# Altium PCB top_LM_v1.PcbDoc (part 4 of 5) (continued)
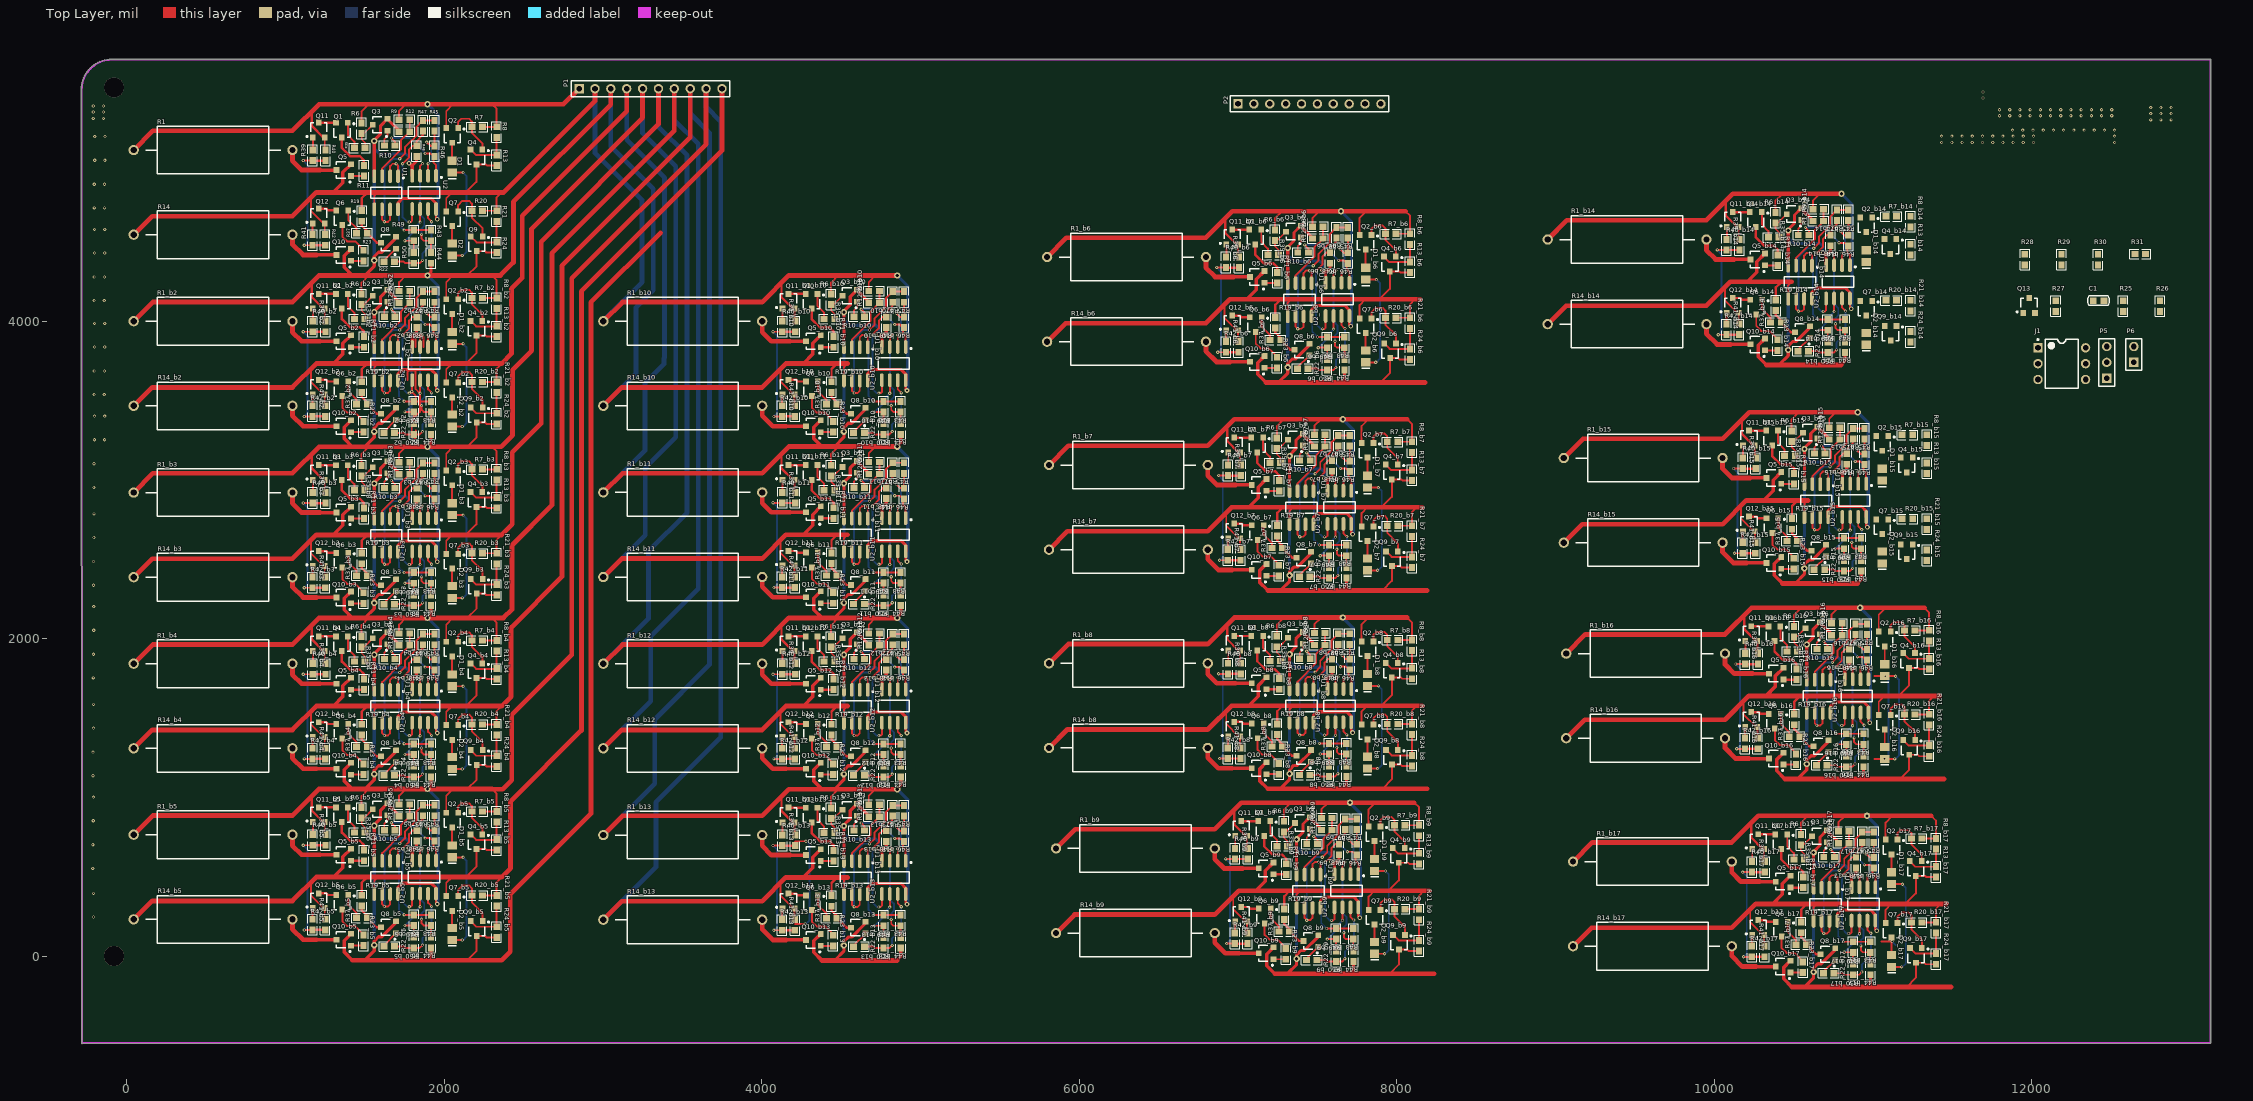
[diagram p0: Top Layer view]
## Nets (pads, with @x,y where several pads share a name; then routed paths per layer and width w, separated by ;. In a path a pad name is that pad's centre, name@x,y a point inside that pad or via, vN(x,y) a via of type N, cw(c..) or ccw(c..) an arc to the next point about the centre after c; other vN are vias at no path point) (continued)
NetQ3_b15_3: Q3_b15.3 R6_b15.1 R35_b15.1 | length 193.4
  Top Layer w10: R6_b15.1@10486.87,3242.02 R6_b15.1@10487.27,3242.02 ; R35_b15.1@10509.46,3151.74 10509.46,3183.28 10487.27,3205.47 R6_b15.1@10487.27,3242.02 ; Q3_b15.3@10557.74,3297.74 10502.02,3242.02 R6_b15.1@10487.27,3242.02
NetQ3_b16_1: Q3_b16.1 R10_b16.1 | length 101.8
  Top Layer w10: R10_b16.1@10645.54,1935 10645.54,1974.54 10665.26,1994.26 Q3_b16.1@10665.26,2028.6
NetQ3_b16_3: Q3_b16.3 R6_b16.1 R35_b16.1 | length 193.4
  Top Layer w10: R6_b16.1@10501.87,2010.28 R6_b16.1@10502.27,2010.28 ; R35_b16.1@10524.46,1920 10524.46,1951.54 10502.27,1973.73 R6_b16.1@10502.27,2010.28 ; Q3_b16.3@10572.74,2066 10517.02,2010.28 R6_b16.1@10502.27,2010.28
NetQ3_b17_1: Q3_b17.1 R10_b17.1 | length 101.8
  Top Layer w10: R10_b17.1@10688.54,625 10688.54,664.54 10708.26,684.26 Q3_b17.1@10708.26,718.6
NetQ3_b17_3: Q3_b17.3 R6_b17.1 R35_b17.1 | length 193.4
  Top Layer w10: R6_b17.1@10544.87,700.28 R6_b17.1@10545.27,700.28 ; R35_b17.1@10567.46,610 10567.46,641.54 10545.27,663.73 R6_b17.1@10545.27,700.28 ; Q3_b17.3@10615.74,756 10560.02,700.28 R6_b17.1@10545.27,700.28
NetQ4_2: Q4.2 R8.1 R13.2 | length 290.8
  Top Layer w12: Q4.2@2166.46,5079.8 2201.17,5045.09 2330.87,5045.09 R13.2@2330.87,5047 R8.1@2330.87,5157.07
NetQ4_b2_2: Q4_b2.2 R8_b2.1 R13_b2.2 | length 290.8
  Top Layer w12: Q4_b2.2@2166.46,4001.8 2201.17,3967.09 2330.87,3967.09 R13_b2.2@2330.87,3969 R8_b2.1@2330.87,4079.07
NetQ4_b3_2: Q4_b3.2 R8_b3.1 R13_b3.2 | length 290.8
  Top Layer w12: Q4_b3.2@2166.46,2922.8 2201.17,2888.09 2330.87,2888.09 R13_b3.2@2330.87,2890 R8_b3.1@2330.87,3000.07
NetQ4_b4_2: Q4_b4.2 R8_b4.1 R13_b4.2 | length 290.8
  Top Layer w12: Q4_b4.2@2166.46,1844.8 2201.17,1810.09 2330.87,1810.09 R13_b4.2@2330.87,1812 R8_b4.1@2330.87,1922.07
NetQ4_b5_2: Q4_b5.2 R8_b5.1 R13_b5.2 | length 290.8
  Top Layer w12: Q4_b5.2@2166.46,767.8 2201.17,733.09 2330.87,733.09 R13_b5.2@2330.87,735 R8_b5.1@2330.87,845.07
NetQ4_b6_2: Q4_b6.2 R8_b6.1 R13_b6.2 | length 290.8
  Top Layer w12: Q4_b6.2@7919.21,4406.26 7953.91,4371.56 8083.61,4371.56 R13_b6.2@8083.61,4373.46 R8_b6.1@8083.61,4483.54
NetQ4_b7_2: Q4_b7.2 R8_b7.1 R13_b7.2 | length 290.8
  Top Layer w12: Q4_b7.2@7931.21,3096.26 7965.91,3061.56 8095.61,3061.56 R13_b7.2@8095.61,3063.46 R8_b7.1@8095.61,3173.54
NetQ4_b8_2: Q4_b8.2 R8_b8.1 R13_b8.2 | length 290.8
  Top Layer w12: Q4_b8.2@7931.21,1847.26 7965.91,1812.56 8095.61,1812.56 R13_b8.2@8095.61,1814.46 R8_b8.1@8095.61,1924.54
NetQ4_b9_2: Q4_b9.2 R8_b9.1 R13_b9.2 | length 290.8
  Top Layer w12: Q4_b9.2@7975.46,681.54 8010.17,646.83 8139.87,646.83 R13_b9.2@8139.87,648.74 R8_b9.1@8139.87,758.81
NetQ4_b10_2: 
NetQ4_b11_2: 
NetQ4_b12_2: 
NetQ4_b13_2: 
NetQ4_b14_2: Q4_b14.2 R8_b14.1 R13_b14.2
NetQ4_b15_2: Q4_b15.2 R8_b15.1 R13_b15.2
NetQ4_b16_2: Q4_b16.2 R8_b16.1 R13_b16.2 | length 290.8
  Top Layer w12: Q4_b16.2@11188.46,1908.54 11223.17,1873.83 11352.87,1873.83 R13_b16.2@11352.87,1875.74 R8_b16.1@11352.87,1985.81
NetQ4_b17_2: Q4_b17.2 R8_b17.1 R13_b17.2 | length 290.8
  Top Layer w12: Q4_b17.2@11231.46,598.54 11266.17,563.83 11395.87,563.83 R13_b17.2@11395.87,565.74 R8_b17.1@11395.87,675.81
NetQ5_1: Q5.1 R11.1 | length 80.5
  Top Layer w15: Q5.1@1414.46,4913.8 R11.1@1495,4913.8
NetQ5_3: Q5.3 R1.1 | length 368.5
  Top Layer w22: 1219.72,4951.54 Q5.3@1321.61,4951.54
  Top Layer w30: R1.1@1045,5077.26 1045,5009.26 1102.72,4951.54 1219.72,4951.54
NetQ5_b2_1: Q5_b2.1 R11_b2.1 | length 80.5
  Top Layer w15: Q5_b2.1@1414.46,3835.8 R11_b2.1@1495,3835.8
NetQ5_b2_3: Q5_b2.3 R1_b2.1 | length 368.5
  Top Layer w22: 1219.72,3873.54 Q5_b2.3@1321.61,3873.53
  Top Layer w30: R1_b2.1@1045,3999.26 1045,3931.26 1102.72,3873.54 1219.72,3873.54
NetQ5_b3_1: Q5_b3.1 R11_b3.1 | length 80.5
  Top Layer w15: Q5_b3.1@1414.46,2756.8 R11_b3.1@1495,2756.8
NetQ5_b3_3: Q5_b3.3 R1_b3.1 | length 368.5
  Top Layer w22: 1219.72,2794.54 Q5_b3.3@1321.61,2794.54
  Top Layer w30: R1_b3.1@1045,2920.26 1045,2852.26 1102.72,2794.54 1219.72,2794.54
NetQ5_b4_1: Q5_b4.1 R11_b4.1 | length 80.5
  Top Layer w15: Q5_b4.1@1414.46,1678.8 R11_b4.1@1495,1678.8
NetQ5_b4_3: Q5_b4.3 R1_b4.1 | length 368.5
  Top Layer w22: 1219.72,1716.54 Q5_b4.3@1321.61,1716.53
  Top Layer w30: R1_b4.1@1045,1842.26 1045,1774.26 1102.72,1716.54 1219.72,1716.54
NetQ5_b5_1: Q5_b5.1 R11_b5.1 | length 80.5
  Top Layer w15: Q5_b5.1@1414.46,601.8 R11_b5.1@1495,601.8
NetQ5_b5_3: Q5_b5.3 R1_b5.1 | length 368.5
  Top Layer w22: 1219.72,639.54 Q5_b5.3@1321.61,639.53
  Top Layer w30: R1_b5.1@1045,765.26 1045,697.26 1102.72,639.54 1219.72,639.54
NetQ5_b6_1: Q5_b6.1 R11_b6.1 | length 80.5
  Top Layer w15: Q5_b6.1@7167.21,4240.26 R11_b6.1@7247.75,4240.26
NetQ5_b6_3: Q5_b6.3 R1_b6.1 | length 368.5
  Top Layer w22: 6972.47,4278 Q5_b6.3@7074.35,4278
  Top Layer w30: R1_b6.1@6797.75,4403.72 6797.75,4335.72 6855.47,4278 6972.47,4278
NetQ5_b7_1: Q5_b7.1 R11_b7.1 | length 80.5
  Top Layer w15: Q5_b7.1@7179.21,2930.26 R11_b7.1@7259.75,2930.26
NetQ5_b7_3: Q5_b7.3 R1_b7.1 | length 368.5
  Top Layer w22: 6984.47,2968 Q5_b7.3@7086.35,2968
  Top Layer w30: R1_b7.1@6809.75,3093.72 6809.75,3025.72 6867.47,2968 6984.47,2968
NetQ5_b8_1: Q5_b8.1 R11_b8.1 | length 80.5
  Top Layer w15: Q5_b8.1@7179.21,1681.26 R11_b8.1@7259.75,1681.26
NetQ5_b8_3: Q5_b8.3 R1_b8.1 | length 368.5
  Top Layer w22: 6984.47,1719 Q5_b8.3@7086.35,1719
  Top Layer w30: R1_b8.1@6809.75,1844.72 6809.75,1776.72 6867.47,1719 6984.47,1719
NetQ5_b9_1: Q5_b9.1 R11_b9.1 | length 80.5
  Top Layer w15: Q5_b9.1@7223.46,515.54 R11_b9.1@7304,515.54
NetQ5_b9_3: Q5_b9.3 R1_b9.1 | length 368.5
  Top Layer w22: 7028.72,553.28 Q5_b9.3@7130.61,553.28
  Top Layer w30: R1_b9.1@6854,679 6854,611 6911.72,553.28 7028.72,553.28
NetQ5_b10_1: Q5_b10.1 R11_b10.1 | length 80.5
  Top Layer w15: Q5_b10.1@4372.46,3835.8 R11_b10.1@4453,3835.8
NetQ5_b10_3: Q5_b10.3 R1_b10.1 | length 368.5
  Top Layer w22: 4177.72,3873.54 Q5_b10.3@4279.61,3873.53
  Top Layer w30: R1_b10.1@4003,3999.26 4003,3931.26 4060.72,3873.54 4177.72,3873.54
NetQ5_b11_1: Q5_b11.1 R11_b11.1 | length 80.5
  Top Layer w15: Q5_b11.1@4372.46,2757.8 R11_b11.1@4453,2757.8
NetQ5_b11_3: Q5_b11.3 R1_b11.1 | length 368.5
  Top Layer w22: 4177.72,2795.54 Q5_b11.3@4279.61,2795.54
  Top Layer w30: R1_b11.1@4003,2921.26 4003,2853.26 4060.72,2795.54 4177.72,2795.54
NetQ5_b12_1: Q5_b12.1 R11_b12.1 | length 80.5
  Top Layer w15: Q5_b12.1@4372.46,1678.8 R11_b12.1@4453,1678.8
NetQ5_b12_3: Q5_b12.3 R1_b12.1 | length 368.5
  Top Layer w22: 4177.72,1716.54 Q5_b12.3@4279.61,1716.54
  Top Layer w30: R1_b12.1@4003,1842.26 4003,1774.26 4060.72,1716.54 4177.72,1716.54
NetQ5_b13_1: Q5_b13.1 R11_b13.1 | length 80.5
  Top Layer w15: Q5_b13.1@4372.46,599.8 R11_b13.1@4453,599.8
NetQ5_b13_3: Q5_b13.3 R1_b13.1 | length 368.5
  Top Layer w22: 4177.72,637.54 Q5_b13.3@4279.61,637.54
  Top Layer w30: R1_b13.1@4003,763.26 4003,695.26 4060.72,637.54 4177.72,637.54
NetQ5_b14_1: Q5_b14.1 R11_b14.1 | length 80.5
  Top Layer w15: Q5_b14.1@10319.46,4350.54 R11_b14.1@10400,4350.54
NetQ5_b14_3: Q5_b14.3 R1_b14.1 | length 368.5
  Top Layer w22: 10124.72,4388.28 Q5_b14.3@10226.61,4388.28
  Top Layer w30: R1_b14.1@9950,4514 9950,4446 10007.72,4388.28 10124.72,4388.28
NetQ5_b15_1: Q5_b15.1 R11_b15.1 | length 80.5
  Top Layer w15: Q5_b15.1@10421.46,2974.28 R11_b15.1@10502,2974.28
NetQ5_b15_3: Q5_b15.3 R1_b15.1 | length 368.5
  Top Layer w22: 10226.72,3012.02 Q5_b15.3@10328.61,3012.02
  Top Layer w30: R1_b15.1@10052,3137.74 10052,3069.74 10109.72,3012.02 10226.72,3012.02
NetQ5_b16_1: Q5_b16.1 R11_b16.1 | length 80.5
  Top Layer w15: Q5_b16.1@10436.46,1742.54 R11_b16.1@10517,1742.54
NetQ5_b16_3: Q5_b16.3 R1_b16.1 | length 368.5
  Top Layer w22: 10241.72,1780.28 Q5_b16.3@10343.61,1780.28
  Top Layer w30: R1_b16.1@10067,1906 10067,1838 10124.72,1780.28 10241.72,1780.28
NetQ5_b17_1: Q5_b17.1 R11_b17.1 | length 80.5
  Top Layer w15: Q5_b17.1@10479.46,432.54 R11_b17.1@10560,432.54
NetQ5_b17_3: Q5_b17.3 R1_b17.1 | length 368.5
  Top Layer w22: 10284.72,470.28 Q5_b17.3@10386.61,470.28
  Top Layer w30: R1_b17.1@10110,596 10110,528 10167.72,470.28 10284.72,470.28
NetQ6_1: Q6.1 R37.2 | length 165.8
  Top Layer w12: Q6.1@1396.27,4697.8 1396.27,4636.6 1449.4,4583.46 R37.2@1449.4,4554
NetQ6_2: Q6.2 Q12.3 | length 114.9
  Top Layer w15: Q12.3@1211,4708.52 1258.74,4708.52 1269.46,4697.8 Q6.2@1321.46,4697.8
NetQ6_3: Q6.3 R23.2 | length 244.9
  Top Layer w12: Q6.3@1358.87,4605.28 1358.87,4532.54 1389.4,4502 1441.25,4502 1492.25,4451 R23.2@1492.25,4446
NetQ6_b2_1: Q6_b2.1 R37_b2.2 | length 165.8
  Top Layer w12: Q6_b2.1@1396.27,3619.8 1396.27,3558.6 1449.4,3505.46 R37_b2.2@1449.4,3476
NetQ6_b2_2: Q6_b2.2 Q12_b2.3 | length 114.9
  Top Layer w15: Q12_b2.3@1211,3630.52 1258.74,3630.52 1269.46,3619.8 Q6_b2.2@1321.46,3619.8
NetQ6_b2_3: Q6_b2.3 R23_b2.2 | length 244.9
  Top Layer w12: Q6_b2.3@1358.87,3527.28 1358.87,3454.54 1389.4,3424 1441.25,3424 1492.25,3373 R23_b2.2@1492.25,3368
NetQ6_b3_1: Q6_b3.1 R37_b3.2 | length 165.8
  Top Layer w12: Q6_b3.1@1396.27,2540.8 1396.27,2479.6 1449.4,2426.46 R37_b3.2@1449.4,2397
NetQ6_b3_2: Q6_b3.2 Q12_b3.3 | length 114.9
  Top Layer w15: Q12_b3.3@1211,2551.52 1258.74,2551.52 1269.46,2540.8 Q6_b3.2@1321.46,2540.8
NetQ6_b3_3: Q6_b3.3 R23_b3.2 | length 244.9
  Top Layer w12: Q6_b3.3@1358.87,2448.28 1358.87,2375.54 1389.4,2345 1441.25,2345 1492.25,2294 R23_b3.2@1492.25,2289
NetQ6_b4_1: Q6_b4.1 R37_b4.2 | length 165.8
  Top Layer w12: Q6_b4.1@1396.27,1462.8 1396.27,1401.6 1449.4,1348.46 R37_b4.2@1449.4,1319
NetQ6_b4_2: Q6_b4.2 Q12_b4.3 | length 114.9
  Top Layer w15: Q12_b4.3@1211,1473.52 1258.74,1473.52 1269.46,1462.8 Q6_b4.2@1321.46,1462.8
NetQ6_b4_3: Q6_b4.3 R23_b4.2 | length 244.9
  Top Layer w12: Q6_b4.3@1358.87,1370.28 1358.87,1297.54 1389.4,1267 1441.25,1267 1492.25,1216 R23_b4.2@1492.25,1211
NetQ6_b5_1: Q6_b5.1 R37_b5.2 | length 165.8
  Top Layer w12: Q6_b5.1@1396.27,385.8 1396.27,324.6 1449.4,271.46 R37_b5.2@1449.4,242
NetQ6_b5_2: Q6_b5.2 Q12_b5.3 | length 114.9
  Top Layer w15: Q12_b5.3@1211,396.52 1258.74,396.52 1269.46,385.8 Q6_b5.2@1321.46,385.8
NetQ6_b5_3: Q6_b5.3 R23_b5.2 | length 244.9
  Top Layer w12: Q6_b5.3@1358.87,293.28 1358.87,220.54 1389.4,190 1441.25,190 1492.25,139 R23_b5.2@1492.25,134
NetQ6_b6_1: Q6_b6.1 R37_b6.2 | length 165.8
  Top Layer w12: Q6_b6.1@7149.02,4024.26 7149.02,3963.06 7202.15,3909.93 R37_b6.2@7202.15,3880.46
NetQ6_b6_2: Q6_b6.2 Q12_b6.3 | length 114.9
  Top Layer w15: Q12_b6.3@6963.75,4034.98 7011.49,4034.98 7022.21,4024.26 Q6_b6.2@7074.21,4024.26
NetQ6_b6_3: Q6_b6.3 R23_b6.2 | length 244.9
  Top Layer w12: Q6_b6.3@7111.61,3931.74 7111.61,3859 7142.15,3828.46 7194,3828.46 7245,3777.46 R23_b6.2@7245,3772.46
NetQ6_b7_1: Q6_b7.1 R37_b7.2 | length 165.8
  Top Layer w12: Q6_b7.1@7161.02,2714.26 7161.02,2653.06 7214.15,2599.93 R37_b7.2@7214.15,2570.46
NetQ6_b7_2: Q6_b7.2 Q12_b7.3 | length 114.9
  Top Layer w15: Q12_b7.3@6975.75,2724.98 7023.49,2724.98 7034.21,2714.26 Q6_b7.2@7086.21,2714.26
NetQ6_b7_3: Q6_b7.3 R23_b7.2 | length 244.9
  Top Layer w12: Q6_b7.3@7123.61,2621.74 7123.61,2549 7154.15,2518.46 7206,2518.46 7257,2467.46 R23_b7.2@7257,2462.46
NetQ6_b8_1: Q6_b8.1 R37_b8.2 | length 165.8
  Top Layer w12: Q6_b8.1@7161.02,1465.26 7161.02,1404.06 7214.15,1350.93 R37_b8.2@7214.15,1321.46
NetQ6_b8_2: Q6_b8.2 Q12_b8.3 | length 114.9
  Top Layer w15: Q12_b8.3@6975.75,1475.98 7023.49,1475.98 7034.21,1465.26 Q6_b8.2@7086.21,1465.26
NetQ6_b8_3: Q6_b8.3 R23_b8.2 | length 244.9
  Top Layer w12: Q6_b8.3@7123.61,1372.74 7123.61,1300 7154.15,1269.46 7206,1269.46 7257,1218.46 R23_b8.2@7257,1213.46
NetQ6_b9_1: Q6_b9.1 R37_b9.2 | length 165.8
  Top Layer w12: Q6_b9.1@7205.27,299.54 7205.27,238.34 7258.4,185.2 R37_b9.2@7258.4,155.74
NetQ6_b9_2: Q6_b9.2 Q12_b9.3 | length 114.9
  Top Layer w15: Q12_b9.3@7020,310.26 7067.74,310.26 7078.46,299.54 Q6_b9.2@7130.46,299.54
NetQ6_b9_3: Q6_b9.3 R23_b9.2 | length 244.9
  Top Layer w12: Q6_b9.3@7167.87,207.02 7167.87,134.28 7198.4,103.74 7250.25,103.74 7301.25,52.74 R23_b9.2@7301.25,47.74
NetQ6_b10_1: Q6_b10.1 R37_b10.2 | length 165.8
  Top Layer w12: Q6_b10.1@4354.27,3619.8 4354.27,3558.6 4407.4,3505.46 R37_b10.2@4407.4,3476
NetQ6_b10_2: Q6_b10.2 Q12_b10.3 | length 114.9
  Top Layer w15: Q12_b10.3@4169,3630.52 4216.74,3630.52 4227.46,3619.8 Q6_b10.2@4279.46,3619.8
NetQ6_b10_3: Q6_b10.3 R23_b10.2 | length 244.9
  Top Layer w12: Q6_b10.3@4316.87,3527.28 4316.87,3454.54 4347.4,3424 4399.25,3424 4450.25,3373 R23_b10.2@4450.25,3368
NetQ6_b11_1: Q6_b11.1 R37_b11.2 | length 165.8
  Top Layer w12: Q6_b11.1@4354.27,2541.8 4354.27,2480.6 4407.4,2427.46 R37_b11.2@4407.4,2398
NetQ6_b11_2: Q6_b11.2 Q12_b11.3 | length 114.9
  Top Layer w15: Q12_b11.3@4169,2552.52 4216.74,2552.52 4227.46,2541.8 Q6_b11.2@4279.46,2541.8
NetQ6_b11_3: Q6_b11.3 R23_b11.2 | length 244.9
  Top Layer w12: Q6_b11.3@4316.87,2449.28 4316.87,2376.54 4347.4,2346 4399.25,2346 4450.25,2295 R23_b11.2@4450.25,2290
NetQ6_b12_1: Q6_b12.1 R37_b12.2 | length 165.8
  Top Layer w12: Q6_b12.1@4354.27,1462.8 4354.27,1401.6 4407.4,1348.46 R37_b12.2@4407.4,1319
NetQ6_b12_2: Q6_b12.2 Q12_b12.3 | length 114.9
  Top Layer w15: Q12_b12.3@4169,1473.52 4216.74,1473.52 4227.46,1462.8 Q6_b12.2@4279.46,1462.8
NetQ6_b12_3: Q6_b12.3 R23_b12.2 | length 244.9
  Top Layer w12: Q6_b12.3@4316.87,1370.28 4316.87,1297.54 4347.4,1267 4399.25,1267 4450.25,1216 R23_b12.2@4450.25,1211
NetQ6_b13_1: Q6_b13.1 R37_b13.2 | length 165.8
  Top Layer w12: Q6_b13.1@4354.27,383.8 4354.27,322.6 4407.4,269.46 R37_b13.2@4407.4,240
NetQ6_b13_2: Q6_b13.2 Q12_b13.3 | length 114.9
  Top Layer w15: Q12_b13.3@4169,394.52 4216.74,394.52 4227.46,383.8 Q6_b13.2@4279.46,383.8
NetQ6_b13_3: Q6_b13.3 R23_b13.2 | length 244.9
  Top Layer w12: Q6_b13.3@4316.87,291.28 4316.87,218.54 4347.4,188 4399.25,188 4450.25,137 R23_b13.2@4450.25,132
NetQ6_b14_1: Q6_b14.1 R37_b14.2 | length 165.8
  Top Layer w12: Q6_b14.1@10301.27,4134.54 10301.27,4073.34 10354.4,4020.2 R37_b14.2@10354.4,3990.74
NetQ6_b14_2: Q6_b14.2 Q12_b14.3 | length 114.9
  Top Layer w15: Q12_b14.3@10116,4145.26 10163.74,4145.26 10174.46,4134.54 Q6_b14.2@10226.46,4134.54
NetQ6_b14_3: Q6_b14.3 R23_b14.2 | length 244.9
  Top Layer w12: Q6_b14.3@10263.87,4042.02 10263.87,3969.28 10294.4,3938.74 10346.25,3938.74 10397.25,3887.74 R23_b14.2@10397.25,3882.74
NetQ6_b15_1: Q6_b15.1 R37_b15.2 | length 165.8
  Top Layer w12: Q6_b15.1@10403.27,2758.28 10403.27,2697.08 10456.4,2643.94 R37_b15.2@10456.4,2614.48
NetQ6_b15_2: Q6_b15.2 Q12_b15.3 | length 114.9
  Top Layer w15: Q12_b15.3@10218,2769 10265.74,2769 10276.46,2758.28 Q6_b15.2@10328.46,2758.28
NetQ6_b15_3: Q6_b15.3 R23_b15.2 | length 244.9
  Top Layer w12: Q6_b15.3@10365.87,2665.76 10365.87,2593.02 10396.4,2562.48 10448.25,2562.48 10499.25,2511.48 R23_b15.2@10499.25,2506.48
NetQ6_b16_1: Q6_b16.1 R37_b16.2 | length 165.8
  Top Layer w12: Q6_b16.1@10418.27,1526.54 10418.27,1465.34 10471.4,1412.2 R37_b16.2@10471.4,1382.74
NetQ6_b16_2: Q6_b16.2 Q12_b16.3 | length 114.9
  Top Layer w15: Q12_b16.3@10233,1537.26 10280.74,1537.26 10291.46,1526.54 Q6_b16.2@10343.46,1526.54
NetQ6_b16_3: Q6_b16.3 R23_b16.2 | length 244.9
  Top Layer w12: Q6_b16.3@10380.87,1434.02 10380.87,1361.28 10411.4,1330.74 10463.25,1330.74 10514.25,1279.74 R23_b16.2@10514.25,1274.74
NetQ6_b17_1: Q6_b17.1 R37_b17.2 | length 165.8
  Top Layer w12: Q6_b17.1@10461.27,216.54 10461.27,155.34 10514.4,102.2 R37_b17.2@10514.4,72.74
NetQ6_b17_2: Q6_b17.2 Q12_b17.3 | length 114.9
  Top Layer w15: Q12_b17.3@10276,227.26 10323.74,227.26 10334.46,216.54 Q6_b17.2@10386.46,216.54
NetQ6_b17_3: Q6_b17.3 R23_b17.2 | length 244.9
  Top Layer w12: Q6_b17.3@10423.87,124.02 10423.87,51.28 10454.4,20.74 10506.25,20.74 10557.25,-30.26 R23_b17.2@10557.25,-35.26
NetQ7_1: Q7.1 Q9.1 R20.1 | length 379.6
  Top Layer w12: Q7.1@2088.27,4690.8 2088.27,4730.94 2113.87,4756.54 2158.87,4756.54 2175.4,4740 R20.1@2175.4,4694.54 2175.4,4651 2242.27,4584.13 Q9.1@2242.27,4532.8
NetQ7_b2_1: Q7_b2.1 Q9_b2.1 R20_b2.1 | length 379.6
  Top Layer w12: Q7_b2.1@2088.27,3612.8 2088.27,3652.94 2113.87,3678.54 2158.87,3678.54 2175.4,3662 R20_b2.1@2175.4,3616.54 2175.4,3573 2242.27,3506.13 Q9_b2.1@2242.27,3454.8
NetQ7_b3_1: Q7_b3.1 Q9_b3.1 R20_b3.1 | length 379.6
  Top Layer w12: Q7_b3.1@2088.27,2533.8 2088.27,2573.94 2113.87,2599.54 2158.87,2599.54 2175.4,2583 R20_b3.1@2175.4,2537.54 2175.4,2494 2242.27,2427.13 Q9_b3.1@2242.27,2375.8
NetQ7_b4_1: Q7_b4.1 Q9_b4.1 R20_b4.1 | length 379.6
  Top Layer w12: Q7_b4.1@2088.27,1455.8 2088.27,1495.94 2113.87,1521.54 2158.87,1521.54 2175.4,1505 R20_b4.1@2175.4,1459.54 2175.4,1416 2242.27,1349.13 Q9_b4.1@2242.27,1297.8
NetQ7_b5_1: Q7_b5.1 Q9_b5.1 R20_b5.1 | length 379.6
  Top Layer w12: Q7_b5.1@2088.27,378.8 2088.27,418.94 2113.87,444.54 2158.87,444.54 2175.4,428 R20_b5.1@2175.4,382.54 2175.4,339 2242.27,272.13 Q9_b5.1@2242.27,220.8
NetQ7_b6_1: Q7_b6.1 Q9_b6.1 R20_b6.1 | length 379.6
  Top Layer w12: Q7_b6.1@7841.02,4017.26 7841.02,4057.4 7866.61,4083 7911.61,4083 7928.15,4066.46 R20_b6.1@7928.15,4021 7928.15,3977.46 7995.02,3910.6 Q9_b6.1@7995.02,3859.26
NetQ7_b7_1: Q7_b7.1 Q9_b7.1 R20_b7.1 | length 379.6
  Top Layer w12: Q7_b7.1@7853.02,2707.26 7853.02,2747.4 7878.61,2773 7923.61,2773 7940.15,2756.46 R20_b7.1@7940.15,2711 7940.15,2667.46 8007.02,2600.6 Q9_b7.1@8007.02,2549.26
NetQ7_b8_1: Q7_b8.1 Q9_b8.1 R20_b8.1 | length 379.6
  Top Layer w12: Q7_b8.1@7853.02,1458.26 7853.02,1498.4 7878.61,1524 7923.61,1524 7940.15,1507.46 R20_b8.1@7940.15,1462 7940.15,1418.46 8007.02,1351.6 Q9_b8.1@8007.02,1300.26
NetQ7_b9_1: Q7_b9.1 Q9_b9.1 R20_b9.1 | length 379.6
  Top Layer w12: Q7_b9.1@7897.27,292.54 7897.27,332.68 7922.87,358.28 7967.87,358.28 7984.4,341.74 R20_b9.1@7984.4,296.28 7984.4,252.74 8051.27,185.87 Q9_b9.1@8051.27,134.54
NetQ7_b10_1: 
NetQ7_b11_1: 
NetQ7_b12_1: 
NetQ7_b13_1: 
NetQ7_b14_1: Q7_b14.1 Q9_b14.1 R20_b14.1
NetQ7_b15_1: Q7_b15.1 Q9_b15.1 R20_b15.1
NetQ7_b16_1: Q7_b16.1 Q9_b16.1 R20_b16.1 | length 379.6
  Top Layer w12: Q7_b16.1@11110.27,1519.54 11110.27,1559.68 11135.87,1585.28 11180.87,1585.28 11197.4,1568.74 R20_b16.1@11197.4,1523.28 11197.4,1479.74 11264.27,1412.87 Q9_b16.1@11264.27,1361.54
NetQ7_b17_1: Q7_b17.1 Q9_b17.1 R20_b17.1 | length 379.6
  Top Layer w12: Q7_b17.1@11153.27,209.54 11153.27,249.68 11178.87,275.28 11223.87,275.28 11240.4,258.74 R20_b17.1@11240.4,213.28 11240.4,169.74 11307.27,102.87 Q9_b17.1@11307.27,51.54
NetQ8_1: Q8.1 R22.2 | length 113.6
  Top Layer w12: R22.2@1621.54,4374.26 1621.54,4382.13 Q8.1@1696.26,4456.86
NetQ8_3: Q8.3 R19.1 R37.1 | length 202.3
  Top Layer w15: R19.1@1482.4,4628.54 R19.1@1481.87,4629.07 1481.87,4601 1516.33,4566.54 R37.1@1516.33,4554 1576.07,4494.26 Q8.3@1603.74,4494.26
NetQ8_b2_1: Q8_b2.1 R22_b2.2 | length 113.6
  Top Layer w12: R22_b2.2@1621.54,3296.26 1621.54,3304.13 Q8_b2.1@1696.26,3378.86
NetQ8_b2_3: Q8_b2.3 R19_b2.1 R37_b2.1 | length 202.3
  Top Layer w15: R19_b2.1@1482.4,3550.54 R19_b2.1@1481.87,3551.07 1481.87,3523 1516.33,3488.54 R37_b2.1@1516.33,3476 1576.07,3416.26 Q8_b2.3@1603.74,3416.26
NetQ8_b3_1: Q8_b3.1 R22_b3.2 | length 113.6
  Top Layer w12: R22_b3.2@1621.54,2217.26 1621.54,2225.13 Q8_b3.1@1696.26,2299.86
NetQ8_b3_3: Q8_b3.3 R19_b3.1 R37_b3.1 | length 202.3
  Top Layer w15: R19_b3.1@1482.4,2471.54 R19_b3.1@1481.87,2472.07 1481.87,2444 1516.33,2409.54 R37_b3.1@1516.33,2397 1576.07,2337.26 Q8_b3.3@1603.74,2337.26
NetQ8_b4_1: Q8_b4.1 R22_b4.2 | length 113.6
  Top Layer w12: R22_b4.2@1621.54,1139.26 1621.54,1147.13 Q8_b4.1@1696.26,1221.86
NetQ8_b4_3: Q8_b4.3 R19_b4.1 R37_b4.1 | length 202.3
  Top Layer w15: R19_b4.1@1482.4,1393.54 R19_b4.1@1481.87,1394.07 1481.87,1366 1516.33,1331.54 R37_b4.1@1516.33,1319 1576.07,1259.26 Q8_b4.3@1603.74,1259.26
NetQ8_b5_1: Q8_b5.1 R22_b5.2 | length 113.6
  Top Layer w12: R22_b5.2@1621.54,62.26 1621.54,70.13 Q8_b5.1@1696.26,144.86
NetQ8_b5_3: Q8_b5.3 R19_b5.1 R37_b5.1 | length 202.3
  Top Layer w15: R19_b5.1@1482.4,316.54 R19_b5.1@1481.87,317.07 1481.87,289 1516.33,254.54 R37_b5.1@1516.33,242 1576.07,182.26 Q8_b5.3@1603.74,182.26
NetQ8_b6_1: Q8_b6.1 R22_b6.2 | length 113.6
  Top Layer w12: R22_b6.2@7374.28,3700.72 7374.28,3708.6 Q8_b6.1@7449.01,3783.32
NetQ8_b6_3: Q8_b6.3 R19_b6.1 R37_b6.1 | length 202.3
  Top Layer w15: R19_b6.1@7235.15,3955 R19_b6.1@7234.61,3955.54 7234.61,3927.46 7269.08,3893 R37_b6.1@7269.08,3880.46 7328.82,3820.72 Q8_b6.3@7356.49,3820.72
NetQ8_b7_1: Q8_b7.1 R22_b7.2 | length 113.6
  Top Layer w12: R22_b7.2@7386.28,2390.72 7386.28,2398.6 Q8_b7.1@7461.01,2473.32
NetQ8_b7_3: Q8_b7.3 R19_b7.1 R37_b7.1 | length 202.3
  Top Layer w15: R19_b7.1@7247.15,2645 R19_b7.1@7246.61,2645.54 7246.61,2617.46 7281.08,2583 R37_b7.1@7281.08,2570.46 7340.82,2510.72 Q8_b7.3@7368.49,2510.72
NetQ8_b8_1: Q8_b8.1 R22_b8.2 | length 113.6
  Top Layer w12: R22_b8.2@7386.28,1141.72 7386.28,1149.6 Q8_b8.1@7461.01,1224.32
NetQ8_b8_3: Q8_b8.3 R19_b8.1 R37_b8.1 | length 202.3
  Top Layer w15: R19_b8.1@7247.15,1396 R19_b8.1@7246.61,1396.54 7246.61,1368.46 7281.08,1334 R37_b8.1@7281.08,1321.46 7340.82,1261.72 Q8_b8.3@7368.49,1261.72
NetQ8_b9_1: Q8_b9.1 R22_b9.2 | length 113.6
  Top Layer w12: R22_b9.2@7430.54,-24 7430.54,-16.13 Q8_b9.1@7505.26,58.6
NetQ8_b9_3: Q8_b9.3 R19_b9.1 R37_b9.1 | length 202.3
  Top Layer w15: R19_b9.1@7291.4,230.28 R19_b9.1@7290.87,230.81 7290.87,202.74 7325.33,168.28 R37_b9.1@7325.33,155.74 7385.07,96 Q8_b9.3@7412.74,96
NetQ8_b10_1: Q8_b10.1 R22_b10.2 | length 113.6
  Top Layer w12: R22_b10.2@4579.54,3296.26 4579.54,3304.13 Q8_b10.1@4654.26,3378.86
NetQ8_b10_3: Q8_b10.3 R19_b10.1 R37_b10.1 | length 202.3
  Top Layer w15: R19_b10.1@4440.4,3550.54 R19_b10.1@4439.87,3551.07 4439.87,3523 4474.33,3488.54 R37_b10.1@4474.33,3476 4534.07,3416.26 Q8_b10.3@4561.74,3416.26
NetQ8_b11_1: Q8_b11.1 R22_b11.2 | length 113.6
  Top Layer w12: R22_b11.2@4579.54,2218.26 4579.54,2226.13 Q8_b11.1@4654.26,2300.86
NetQ8_b11_3: Q8_b11.3 R19_b11.1 R37_b11.1 | length 202.3
  Top Layer w15: R19_b11.1@4440.4,2472.54 R19_b11.1@4439.87,2473.07 4439.87,2445 4474.33,2410.54 R37_b11.1@4474.33,2398 4534.07,2338.26 Q8_b11.3@4561.74,2338.26
NetQ8_b12_1: Q8_b12.1 R22_b12.2 | length 113.6
  Top Layer w12: R22_b12.2@4579.54,1139.26 4579.54,1147.13 Q8_b12.1@4654.26,1221.86
NetQ8_b12_3: Q8_b12.3 R19_b12.1 R37_b12.1 | length 202.3
  Top Layer w15: R19_b12.1@4440.4,1393.54 R19_b12.1@4439.87,1394.07 4439.87,1366 4474.33,1331.54 R37_b12.1@4474.33,1319 4534.07,1259.26 Q8_b12.3@4561.74,1259.26
NetQ8_b13_1: Q8_b13.1 R22_b13.2 | length 113.6
  Top Layer w12: R22_b13.2@4579.54,60.26 4579.54,68.13 Q8_b13.1@4654.26,142.86
NetQ8_b13_3: Q8_b13.3 R19_b13.1 R37_b13.1 | length 202.3
  Top Layer w15: R19_b13.1@4440.4,314.54 R19_b13.1@4439.87,315.07 4439.87,287 4474.33,252.54 R37_b13.1@4474.33,240 4534.07,180.26 Q8_b13.3@4561.74,180.26
NetQ8_b14_1: Q8_b14.1 R22_b14.2 | length 113.6
  Top Layer w12: R22_b14.2@10526.54,3811 10526.54,3818.87 Q8_b14.1@10601.26,3893.6
NetQ8_b14_3: Q8_b14.3 R19_b14.1 R37_b14.1 | length 202.3
  Top Layer w15: R19_b14.1@10387.4,4065.28 R19_b14.1@10386.87,4065.81 10386.87,4037.74 10421.33,4003.28 R37_b14.1@10421.33,3990.74 10481.07,3931 Q8_b14.3@10508.74,3931
NetQ8_b15_1: Q8_b15.1 R22_b15.2 | length 113.6
  Top Layer w12: R22_b15.2@10628.54,2434.74 10628.54,2442.61 Q8_b15.1@10703.26,2517.34
NetQ8_b15_3: Q8_b15.3 R19_b15.1 R37_b15.1 | length 202.3
  Top Layer w15: R19_b15.1@10489.4,2689.02 R19_b15.1@10488.87,2689.55 10488.87,2661.48 10523.33,2627.02 R37_b15.1@10523.33,2614.48 10583.07,2554.74 Q8_b15.3@10610.74,2554.74
NetQ8_b16_1: Q8_b16.1 R22_b16.2 | length 113.6
  Top Layer w12: R22_b16.2@10643.54,1203 10643.54,1210.87 Q8_b16.1@10718.26,1285.6
NetQ8_b16_3: Q8_b16.3 R19_b16.1 R37_b16.1 | length 202.3
  Top Layer w15: R19_b16.1@10504.4,1457.28 R19_b16.1@10503.87,1457.81 10503.87,1429.74 10538.33,1395.28 R37_b16.1@10538.33,1382.74 10598.07,1323 Q8_b16.3@10625.74,1323
NetQ8_b17_1: Q8_b17.1 R22_b17.2 | length 113.6
  Top Layer w12: R22_b17.2@10686.54,-107 10686.54,-99.13 Q8_b17.1@10761.26,-24.4
NetQ8_b17_3: Q8_b17.3 R19_b17.1 R37_b17.1 | length 202.3
  Top Layer w15: R19_b17.1@10547.4,147.28 R19_b17.1@10546.87,147.81 10546.87,119.74 10581.33,85.28 R37_b17.1@10581.33,72.74 10641.07,13 Q8_b17.3@10668.74,13
NetQ9_2: Q9.2 R21.1 R24.2 | length 309.5
  Top Layer w12: Q9.2@2167.46,4532.8 2204.26,4496 2328.87,4496 R24.2@2330.87,4498 R21.1@2330.87,4628.07
NetQ9_b2_2: Q9_b2.2 R21_b2.1 R24_b2.2 | length 307.9
  Top Layer w12: Q9_b2.2@2167.46,3454.8 2202.26,3420 R24_b2.2@2330.87,3420 R21_b2.1@2330.87,3550.07
NetQ9_b3_2: Q9_b3.2 R21_b3.1 R24_b3.2 | length 307.9
  Top Layer w12: Q9_b3.2@2167.46,2375.8 2202.26,2341 R24_b3.2@2330.87,2341 R21_b3.1@2330.87,2471.07
NetQ9_b4_2: Q9_b4.2 R21_b4.1 R24_b4.2 | length 307.9
  Top Layer w12: Q9_b4.2@2167.46,1297.8 2202.26,1263 R24_b4.2@2330.87,1263 R21_b4.1@2330.87,1393.07
NetQ9_b5_2: Q9_b5.2 R21_b5.1 R24_b5.2 | length 307.9
  Top Layer w12: Q9_b5.2@2167.46,220.8 2202.26,186 R24_b5.2@2330.87,186 R21_b5.1@2330.87,316.07
NetQ9_b6_2: Q9_b6.2 R21_b6.1 R24_b6.2 | length 307.9
  Top Layer w12: Q9_b6.2@7920.21,3859.26 7955.01,3824.46 R24_b6.2@8083.61,3824.46 R21_b6.1@8083.61,3954.54
NetQ9_b7_2: Q9_b7.2 R21_b7.1 R24_b7.2 | length 307.9
  Top Layer w12: Q9_b7.2@7932.21,2549.26 7967.01,2514.46 R24_b7.2@8095.61,2514.46 R21_b7.1@8095.61,2644.54
NetQ9_b8_2: Q9_b8.2 R21_b8.1 R24_b8.2 | length 307.9
  Top Layer w12: Q9_b8.2@7932.21,1300.26 7967.01,1265.46 R24_b8.2@8095.61,1265.46 R21_b8.1@8095.61,1395.54
NetQ9_b9_2: Q9_b9.2 R21_b9.1 R24_b9.2 | length 307.9
  Top Layer w12: Q9_b9.2@7976.46,134.54 8011.26,99.74 R24_b9.2@8139.87,99.74 R21_b9.1@8139.87,229.81
NetQ9_b10_2: 
NetQ9_b11_2: 
NetQ9_b12_2: 
NetQ9_b13_2: 
NetQ9_b14_2: Q9_b14.2 R21_b14.1 R24_b14.2
NetQ9_b15_2: Q9_b15.2 R21_b15.1 R24_b15.2
NetQ9_b16_2: Q9_b16.2 R21_b16.1 R24_b16.2 | length 307.9
  Top Layer w12: Q9_b16.2@11189.46,1361.54 11224.26,1326.74 R24_b16.2@11352.87,1326.74 R21_b16.1@11352.87,1456.81
NetQ9_b17_2: Q9_b17.2 R21_b17.1 R24_b17.2 | length 307.9
  Top Layer w12: Q9_b17.2@11232.46,51.54 11267.26,16.74 R24_b17.2@11395.87,16.74 R21_b17.1@11395.87,146.81
NetQ10_1: Q10.1 R23.1 | length 78.1
  Top Layer w12: Q10.1@1414.13,4379.13 R23.1@1492.19,4379.13
NetQ10_3: Q10.3 R14.1 | length 365.2
  Top Layer w22: 1196.87,4416.54 Q10.3@1321.61,4416.54
  Top Layer w30: R14.1@1045,4544.26 1045,4483.26 1111.72,4416.54 1196.87,4416.54
NetQ10_b2_1: Q10_b2.1 R23_b2.1 | length 78.1
  Top Layer w12: Q10_b2.1@1414.13,3301.13 R23_b2.1@1492.19,3301.13
NetQ10_b2_3: Q10_b2.3 R14_b2.1 | length 365.2
  Top Layer w22: 1196.87,3338.54 Q10_b2.3@1321.61,3338.53
  Top Layer w30: R14_b2.1@1045,3466.26 1045,3405.26 1111.72,3338.54 1196.87,3338.54